# Altium PCB PCB_Organo_Prueba_V4.PcbDoc (part 2 of 2)
Units mm, origin at the board's own origin, x right, y up, seen from the top; angles counter-clockwise.
Board outline 127.36 x 89.76 mm, 2 copper layers (Top Layer, Bottom Layer); 92 components, 110 nets, 413 pads, 125 vias.
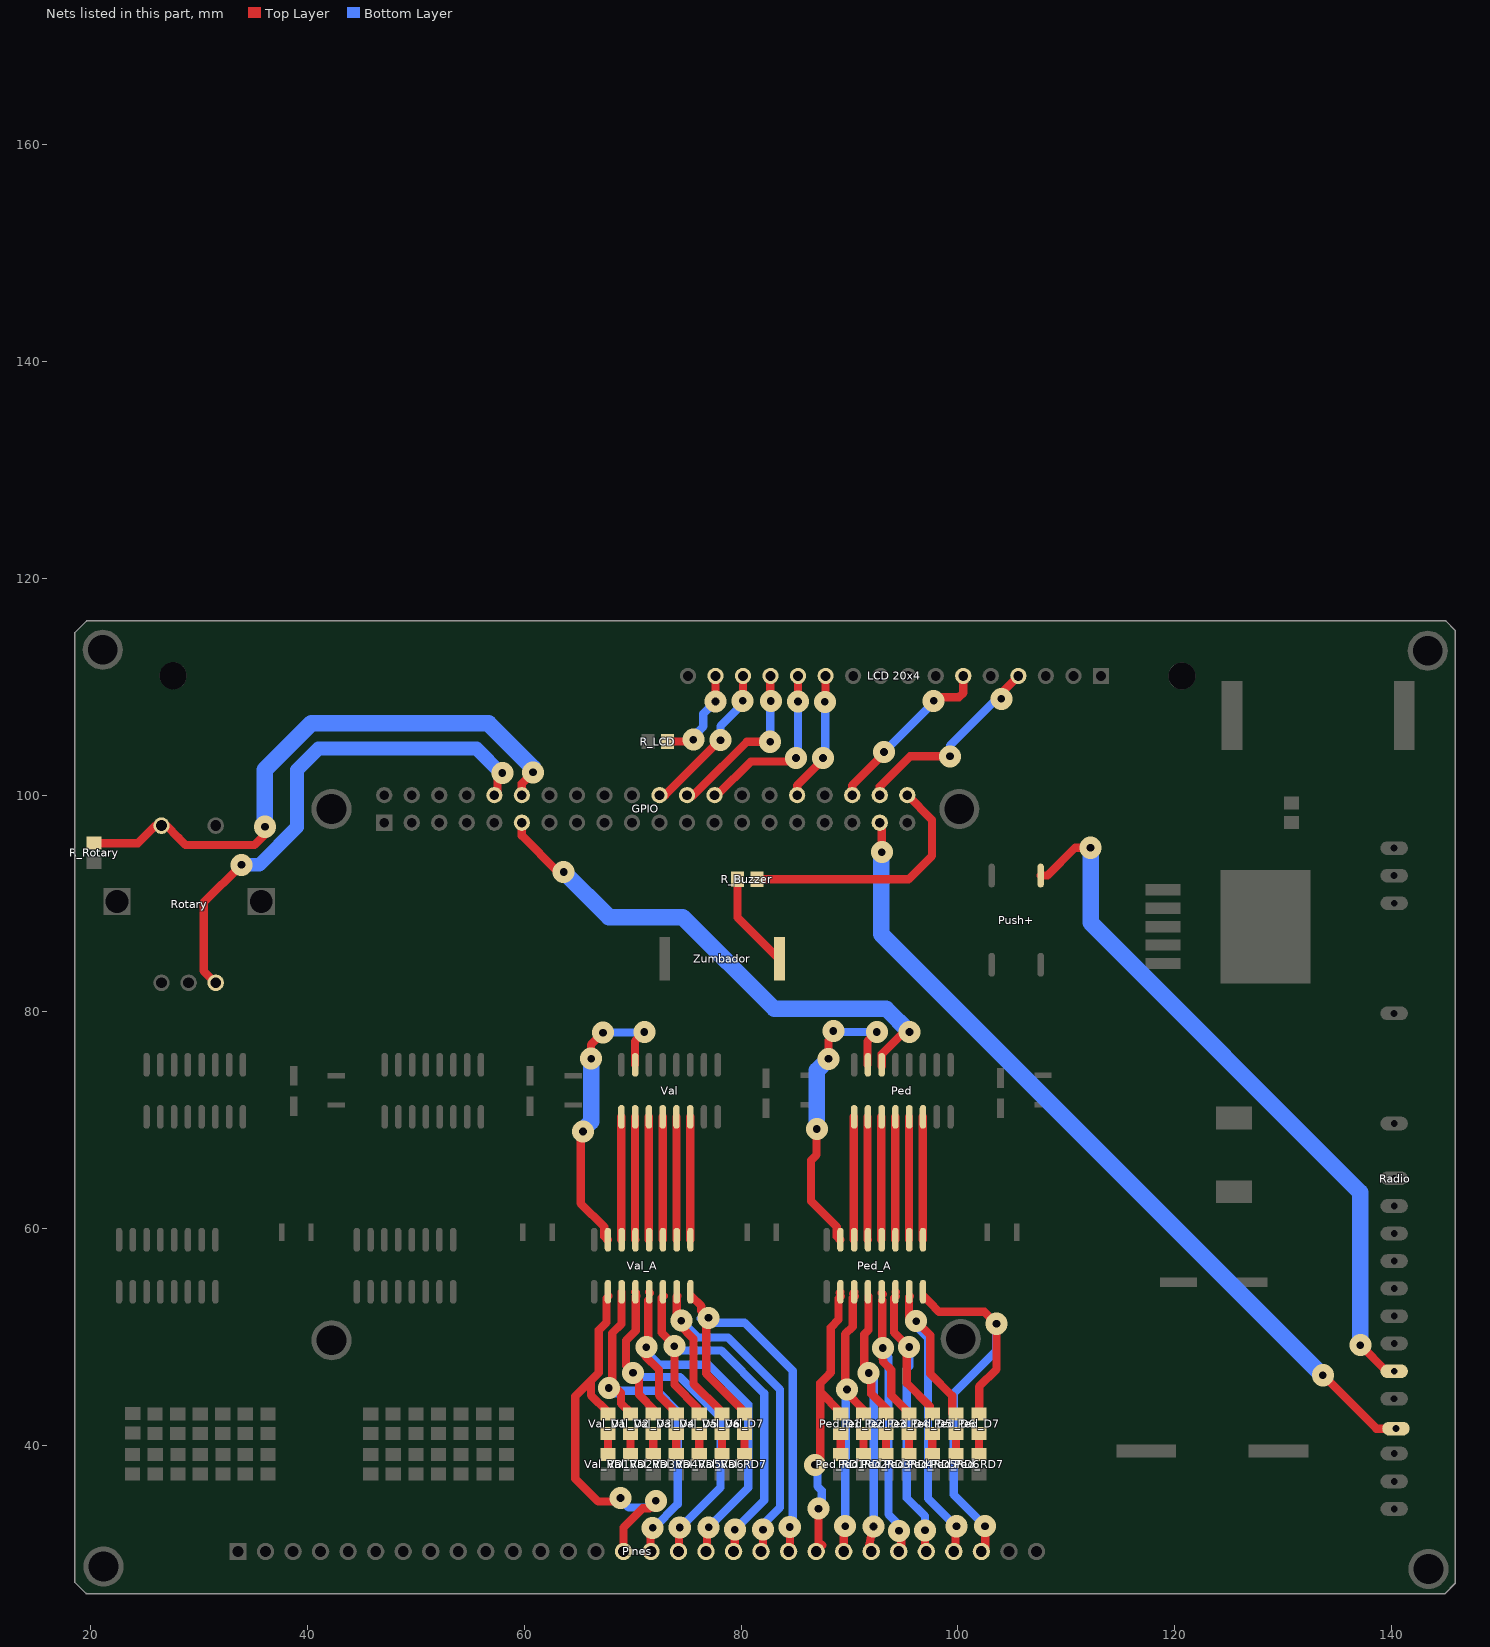
[diagram p2: the nets of this part, all layers, seen from the top]

## Via types
v1: diameter 2.032, hole 0.711, Top Layer to Bottom Layer, 125 vias

## Nets (pads, with @x,y where several pads share a name; then routed paths per layer and width w, separated by ;. In a path a pad name is that pad's centre, name@x,y a point inside that pad or via, vN(x,y) a via of type N, cw(c..) or ccw(c..) an arc to the next point about the centre after c; other vN are vias at no path point) (continued)
NetGPIO_10: GPIO.10 Rotary.B | length 47.9
  Top Layer w0.762: Rotary.B@31.518,82.677 30.416,83.778 30.416,90.068 v1(33.909,93.561) ; GPIO.10@57.226,99.987 57.518,100.279 57.518,102.26 57.48,102.298 v1@57.48,102.108
  Bottom Layer w1.27: v1(33.909,93.561) 35.535,93.561 39.014,97.041 39.014,102.298 40.996,104.28 55.575,104.28 v1@57.893,101.962
  other v1: 57.963,102.032
NetGPIO_11: GPIO.11 Ped.14 | length 49
  Top Layer w0.762: GPIO.11@59.766,97.447 59.766,96.253 63.119,92.9 v1(63.627,92.9) ; Ped.14@92.977,74.968 92.977,76.098 95.009,78.13 v1(95.529,78.13)
  Bottom Layer w1.524: v1(63.627,92.9) 67.793,88.735 74.587,88.735 83.045,80.277 93.383,80.277 v1(95.529,78.13)
NetGPIO_12: GPIO.12 R_Rotary.2 Rotary.D | length 54.7
  Top Layer w0.762: R_Rotary.2@20.295,95.553 24.344,95.553 25.968,97.177 Rotary.D@26.518,97.177 26.978,97.177 28.105,96.05 28.105,96.028 28.744,95.39 35.09,95.39 36.062,96.361 v1(36.062,97.072) ; GPIO.12@59.766,99.987 59.766,101.067 v1(60.795,102.095)
  Bottom Layer w1.524: v1(36.062,97.072) 36.062,102.343 40.322,106.604 56.693,106.604 60.795,102.502 v1(60.795,102.095)
NetGPIO_22: "LCD 20x4.14" GPIO.22 | length 14.5
  Top Layer w0.762: GPIO.22@72.466,99.987 72.987,99.987 78.054,105.054 v1(78.092,105.054) ; v1(80.137,108.687) 80.17,108.72 80.17,110.99
  Bottom Layer w0.762: v1(78.092,105.054) 78.092,106.35 80.124,108.382 v1@80.124,108.687
NetGPIO_24: "LCD 20x4.13" GPIO.24 | length 15.5
  Top Layer w0.762: GPIO.24@75.006,99.987 75.59,99.987 76.161,100.558 76.161,100.561 80.515,104.915 v1(82.677,104.915) ; v1@82.69,108.991 82.69,110.97 82.71,110.99
  Bottom Layer w0.762: v1(82.677,104.915) 82.69,104.927 v1@82.69,108.674
  other v1: 82.74,108.674
NetGPIO_26: "LCD 20x4.12" GPIO.26 | length 16.4
  Top Layer w0.762: GPIO.26@77.546,99.987 77.787,99.987 80.886,103.086 84.709,103.086 v1@85.052,103.429 ; v1@85.242,108.928 85.242,110.982 85.25,110.99
  Bottom Layer w0.762: v1@85.052,103.314 v1(85.052,103.416) ; v1@85.052,103.378 85.242,103.569 v1(85.242,108.636)
NetGPIO_32: "LCD 20x4.11" GPIO.32 | length 12.2
  Top Layer w0.762: GPIO.32@85.166,99.987 85.166,100.889 87.338,103.06 87.338,103.391 87.363,103.416 v1(87.554,103.416) ; v1@87.79,108.598 87.79,110.99
  Bottom Layer w0.762: v1(87.554,103.416) 87.744,103.607 87.744,108.572 v1(87.719,108.598)
NetGPIO_36: "LCD 20x4.6" GPIO.36 | length 16.4
  Top Layer w0.762: GPIO.36@90.246,99.987 90.246,100.889 v1@93.383,104.026 ; v1@97.796,108.655 98.171,109.029 100.089,109.029 100.49,109.431 100.49,110.99
  Bottom Layer w0.762: v1(93.18,103.962) v1@97.765,108.547
  other v1: 97.765,108.687
NetGPIO_37: GPIO.37 Radio.22 | length 76.7
  Top Layer w0.762: GPIO.37@92.786,97.447 92.977,97.257 v1(92.977,94.729) ; v1(133.667,46.469) 138.595,41.542 Radio.22@140.411,41.542
  Bottom Layer w1.524: v1@92.939,94.729 92.939,87.135 v1@133.636,46.438
NetGPIO_38: "LCD 20x4.4" GPIO.38 | length 18.7
  Top Layer w0.762: GPIO.38@92.786,99.987 92.786,100.787 95.567,103.569 v1(99.263,103.569) ; v1(104,108.877) 104,109.42 105.57,110.99
  Bottom Layer w0.762: v1(99.263,103.569) 99.263,104.572 103.569,108.877 v1(104,108.877)
NetGPIO_40: GPIO.40 R_Buzzer.1 | length 23.6
  Top Layer w0.762: R_Buzzer.1@81.456,92.227 95.441,92.227 97.599,94.386 97.599,97.714 GPIO.40@95.326,99.987
"NetLCD 20x4_15": "LCD 20x4.15" R_LCD.1 | length 9.7
  Top Layer w0.762: R_LCD.1@73.188,104.927 75.413,104.927 v1(75.59,105.105) ; v1@77.622,108.636 77.622,110.982 77.63,110.99
  Bottom Layer w0.762: v1(75.59,105.105) 75.273,105.105 76.505,106.337 76.505,107.505 v1(77.635,108.636)
NetPed_1: Ped.1 Ped_A.6 | length 11.3
  Top Layer w0.508: Ped_A.6@90.393,58.975 Ped_A.6@90.399,58.969
  Top Layer w0.762: Ped_A.6@90.393,58.975 Ped.1@90.393,70.312
NetPed_2: Ped.2 Ped_A.5 | length 11.3
  Top Layer w0.762: Ped.2@91.663,70.312 91.663,58.975 Ped_A.5@91.669,58.969
NetPed_3: Ped.3 Ped_A.4 | length 11.3
  Top Layer w0.762: Ped.3@92.933,70.312 92.933,58.975 Ped_A.4@92.939,58.969
NetPed_4: Ped.4 Ped_A.3 | length 11.3
  Top Layer w0.762: Ped.4@94.203,70.312 94.203,58.975 Ped_A.3@94.209,58.969
NetPed_5: Ped.5 Ped_A.2 | length 11.3
  Top Layer w0.762: Ped.5@95.473,70.312 95.473,58.975 Ped_A.2@95.479,58.969
NetPed_6: Ped.6 Ped_A.1 | length 11.3
  Top Layer w0.762: Ped.6@96.743,70.312 96.749,70.306 Ped_A.1@96.749,58.969
NetPed_15: Ped.15 Ped_A.7 | length 28
  Top Layer w0.762: v1@86.957,69.19 86.957,66.802 86.449,66.294 86.449,62.526 88.819,60.156 88.819,59.278 Ped_A.7@89.129,58.969 ; v1(88.062,75.667) 88.062,77.356 88.506,77.8 v1(88.506,78.232) ; Ped.15@91.663,75.112 91.663,77.286 91.675,77.286 v1(92.519,78.13)
  Bottom Layer w0.762: v1@89.129,78.13 v1(92.519,78.13)
  Bottom Layer w1.524: v1(86.982,69.19) 86.982,74.587 v1(88.062,75.667)
NetPed_A_10: Ped_A.10 Ped_D1.2 Pines.22 | length 30.1
  Top Layer w0.762: v1(86.817,38.202) 87.3,38.684 87.3,45.758 ; Pines.22@86.919,30.213 87.49,30.785 87.427,30.848 ; 87.135,31.026 v1(87.135,34.163) ; 88.265,46.723 87.3,45.758 ; Ped_D1.2@89.09,42.994 Ped_D1.2@89.18,42.905 ; Ped_A.10@89.09,54.08 Ped_A.10@89.167,54.156 ; Ped_D1.2@89.192,43.091 89.129,43.091 87.3,44.92 87.3,45.758 ; Ped_A.10@89.205,53.762 88.989,53.546 88.989,51.6 88.265,50.876 88.265,46.749 88.049,46.533 88.049,46.507 87.3,45.758
  Bottom Layer w0.762: v1(86.817,38.202) 87.046,37.973 87.046,36.22 87.427,35.839 87.427,34.455 v1(87.135,34.163)
NetPed_A_11: Ped_A.11 Ped_D2.2 Pines.23 | length 27.5
  Top Layer w0.762: Pines.23@89.459,30.213 89.459,32.233 89.599,32.372 v1(89.599,32.55) ; Ped_A.11@90.335,53.991 Ped_A.11@90.411,54.067 ; Ped_A.11@90.399,54.118 Ped_A.11@90.437,54.156 ; Ped_A.11@90.475,53.762 90.297,53.585 90.297,50.952 89.599,50.254 89.599,45.314 v1(89.764,45.148) 89.764,44.818 91.262,43.32 Ped_D2.2@91.262,42.71
  Bottom Layer w0.762: v1@89.599,32.334 89.637,43.637 89.637,45.021 v1(89.764,45.148)
NetPed_A_12: Ped_A.12 Ped_D3.2 Pines.24 | length 28.8
  Top Layer w0.762: Ped_A.12@91.745,53.762 91.745,50.635 91.351,50.241 91.351,47.206 91.757,46.799 v1(91.757,46.672) 92.011,46.419 92.011,44.742 93.587,43.166 Ped_D3.2@93.421,43.001 ; Pines.24@91.999,30.213 91.745,30.467 92.113,32.233 92.202,32.322 v1(92.202,32.512)
  Bottom Layer w0.762: v1(91.757,46.672) 92.227,46.203 v1@92.227,32.512
NetPed_A_13: Ped_A.13 Ped_D4.2 Pines.25 | length 30.9
  Top Layer w0.762: Ped_A.13@92.951,54.067 Ped_A.13@93.066,53.953 ; Ped_A.13@93.015,53.378 93.015,48.565 93.104,47.714 93.855,46.963 93.855,44.601 95.352,43.104 Ped_D4.2@95.352,42.939 ; Pines.25@94.539,30.213 94.767,30.442 v1@94.767,32.118
  Bottom Layer w0.762: v1@92.894,48.812 93.586,48.12 93.586,33.642 94.564,32.664 v1(94.564,32.118)
  other v1: 93.066,48.984
NetPed_A_14: Ped_A.14 Ped_D5.2 Pines.26 | length 31.8
  Top Layer w0.762: Ped_A.14@94.247,54.156 Ped_A.14@94.259,54.143 ; Ped_A.14@94.285,53.762 94.107,53.585 94.107,50.406 95.377,49.136 v1@95.39,49.136 ; v1@95.275,49.136 95.275,45.733 97.409,43.599 Ped_D5.2@97.409,43.015 ; v1(96.965,32.156) 96.965,30.328 Pines.26@97.079,30.213
  Bottom Layer w0.762: v1(95.504,49.073) 95.504,47.307 95.275,47.079 95.275,35.154 96.952,33.477 v1@96.952,32.271
NetPed_A_15: Ped_A.15 Ped_D6.2 Pines.27 | length 35.5
  Top Layer w0.762: Ped_A.15@95.555,53.762 95.491,53.699 95.491,51.625 95.694,51.422 v1@95.694,51.166 ; v1(96.139,51.46) 97.447,50.152 97.447,46.596 99.466,44.577 Ped_D6.2@99.466,42.964 ; Pines.27@99.619,30.213 99.771,30.366 99.771,32.448 v1(99.86,32.537)
  Bottom Layer w0.762: v1(96.139,51.46) 96.139,51.016 97.244,49.911 97.244,35.103 v1@99.835,32.512
NetPed_A_16: Ped_A.16 Ped_D7.2 Pines.28 | length 40.1
  Top Layer w0.762: Ped_A.16@96.825,53.762 97.371,53.216 97.371,53.213 98.26,52.324 102.451,52.324 v1(103.556,51.219) 103.556,47.015 101.956,45.415 101.956,43.383 Ped_D7.2@101.657,43.085 ; Pines.28@102.159,30.213 102.514,30.569 v1@102.514,32.334
  Bottom Layer w0.762: v1@102.495,32.569 99.606,35.458 99.606,44.78 103.518,48.692 v1@103.518,50.889
  other v1: 102.502,32.55
NetPed_D1_1: Ped_D1.1 Ped_RD1.1 | length 1.9
  Top Layer w0.762: Ped_RD1.1@89.192,39.178 Ped_D1.1@89.192,41.086
NetPed_D2_1: Ped_D2.1 Ped_RD2.1 | length 1.9
  Top Layer w0.762: Ped_RD2.1@91.275,39.178 Ped_D2.1@91.275,41.086
NetPed_D3_1: Ped_D3.1 Ped_RD3.1 | length 1.9
  Top Layer w0.762: Ped_RD3.1@93.37,39.178 Ped_D3.1@93.37,41.086
NetPed_D4_1: Ped_D4.1 Ped_RD4.1 | length 1.9
  Top Layer w0.762: Ped_D4.1@95.479,41.086 95.479,39.191 Ped_RD4.1@95.491,39.178
NetPed_D5_1: Ped_D5.1 Ped_RD5.1 | length 1.9
  Top Layer w0.762: Ped_D5.1@97.638,41.086 97.638,39.203 Ped_RD5.1@97.663,39.178
NetPed_D6_1: Ped_D6.1 Ped_RD6.1 | length 1.9
  Top Layer w0.762: Ped_RD6.1@99.809,39.178 Ped_D6.1@99.809,41.086
NetPed_D7_1: Ped_D7.1 Ped_RD7.1 | length 1.9
  Top Layer w0.762: Ped_RD7.1@101.943,39.178 Ped_D7.1@101.943,41.086
NetPines_15: Pines.15 Val_A.10 Val_D1.2 | length 37.2
  Top Layer w0.762: 66.142,45.985 66.142,44.617 67.655,43.104 Val_D1.2@67.754,43.104 ; Val_A.10@67.767,53.775 67.564,53.572 67.564,51.346 66.865,50.648 66.865,46.709 64.681,44.524 64.681,36.932 66.802,34.811 v1@68.885,34.811 ; Pines.15@69.139,30.213 69.139,32.432 70.895,34.188 71.552,34.188 v1@72.187,34.823
  Bottom Layer w0.762: v1@68.91,34.976 69.621,34.265 71.31,34.265 v1@72.339,35.293
  other v1: 72.123,34.887 68.859,35.141
NetPines_16: Pines.16 Val_A.11 Val_D2.2 | length 34.5
  Top Layer w0.762: Val_A.11@68.961,54.143 68.948,54.156 68.948,51.194 68.097,50.343 68.097,45.606 v1(67.793,45.301) 68.466,45.301 68.923,44.844 68.923,43.866 69.825,42.964 Val_D2.2@69.825,42.723 ; v1@71.628,32.322 71.628,30.264 Pines.16@71.679,30.213
  Bottom Layer w0.762: v1(67.793,45.301) 67.945,45.301 68.428,44.818 68.682,44.818 68.91,45.047 72.212,45.047 74.143,43.116 74.143,34.569 71.971,32.398 v1(71.831,32.398)
NetPines_17: Pines.17 Val_A.12 Val_D3.2 | length 36.4
  Top Layer w0.762: Val_A.12@70.218,54.156 Val_A.12@70.282,54.093 ; Val_A.12@70.307,53.775 70.269,53.737 70.269,50.571 69.38,49.682 69.38,47.346 70.574,46.152 70.574,44.679 72.111,43.141 Val_D3.2@71.984,43.013 ; Pines.17@74.219,30.213 74.27,30.264 74.27,32.36 v1(74.333,32.423)
  Bottom Layer w0.762: v1@70.136,46.577 70.396,46.317 74.346,46.317 78.092,42.57 78.092,36.106 v1@74.371,32.385 ; v1@70.256,46.457 v1@70.256,46.825
  other v1: 70.015,46.698
NetPines_18: Pines.18 Val_A.13 Val_D4.2 | length 38.6
  Top Layer w0.762: Val_A.13@71.438,53.391 71.438,48.92 71.183,48.666 71.183,48.209 72.417,46.975 72.417,44.613 73.914,43.116 Val_D4.2@73.914,42.951 ; Val_A.13@71.488,54.156 Val_A.13@71.577,54.067 ; Val_D4.2@73.825,43.102 Val_D4.2@74.054,42.874 ; Pines.18@76.759,30.213 76.848,30.302 76.848,32.283 v1(77,32.436)
  Bottom Layer w0.762: v1@71.526,48.628 71.526,48.323 72.403,47.447 76.962,47.447 80.645,43.764 80.645,36.081 v1(77,32.436)
  other v1: 71.247,49.06
NetPines_19: Pines.19 Val_A.14 Val_D5.2 | length 37.8
  Top Layer w0.762: Val_A.14@72.847,53.775 72.669,53.597 72.669,50.419 73.939,49.149 v1@73.952,49.149 ; v1(73.838,49.149) 73.838,45.593 75.971,43.459 Val_D5.2@75.971,43.028 ; Pines.19@79.413,30.328 v1(79.413,32.22)
  Bottom Layer w0.762: v1@73.952,49.149 74.346,48.755 78.168,48.755 82.118,44.806 82.118,34.925 v1(79.413,32.22)
NetPines_20: Pines.20 Val_A.15 Val_D6.2 | length 40.2
  Top Layer w0.762: Val_A.15@74.117,53.775 74.054,53.712 74.054,51.638 74.257,51.435 74.257,51.179 75.603,49.833 75.603,45.682 78.029,43.256 Val_D6.2@78.029,42.977 ; Pines.20@81.839,30.213 82.004,30.378 v1(82.004,32.22)
  Bottom Layer w0.762: v1@74.117,51.486 74.486,51.486 76.01,49.962 78.791,49.962 83.591,45.161 83.591,34.277 82.004,32.69 v1(82.004,32.22)
  other v1: 74.473,51.498
NetPines_21: Pines.21 Val_A.16 Val_D7.2 | length 39.9
  Top Layer w0.762: Val_A.16@75.387,53.775 76.327,52.835 76.327,52.426 v1(76.987,51.765) ; v1@76.772,51.765 76.772,46.634 80.086,43.32 Val_D7.2@80.086,42.964 ; Pines.21@84.379,30.213 84.506,30.34 v1@84.506,32.258
  Bottom Layer w0.762: v1@76.276,51.702 76.987,51.702 77.368,51.321 80.315,51.321 84.747,46.888 84.747,32.728 v1(84.48,32.461)
NetPush+_1: Push+.1 Radio.20 | length 66
  Top Layer w0.762: Push+.1@107.632,92.57 108.255,92.57 110.82,95.136 v1(112.23,95.136) ; v1(137.122,49.238) 139.522,46.838 Radio.20@140.246,46.838
  Bottom Layer w1.524: v1(112.23,95.136) 112.23,88.227 137.122,63.335 v1(137.122,49.238)
NetR_Buzzer_2: R_Buzzer.2 Zumbador.1 | length 9
  Top Layer w0.762: R_Buzzer.2@79.656,92.227 79.656,88.708 83.464,84.9 Zumbador.1@83.546,84.9
NetVal_1: Val.1 Val_A.6 | length 11.3
  Top Layer w0.508: Val_A.6@68.942,58.975 Val_A.6@68.948,58.969
  Top Layer w0.762: Val_A.6@68.942,58.975 Val.1@68.942,70.312
NetVal_2: Val.2 Val_A.5 | length 11.3
  Top Layer w0.762: Val.2@70.212,70.312 70.212,58.975 Val_A.5@70.218,58.969
NetVal_3: Val.3 Val_A.4 | length 11.3
  Top Layer w0.762: Val.3@71.482,70.312 71.482,58.975 Val_A.4@71.488,58.969
NetVal_4: Val.4 Val_A.3 | length 11.3
  Top Layer w0.762: Val.4@72.752,70.312 72.752,58.975 Val_A.3@72.758,58.969
NetVal_5: Val.5 Val_A.2 | length 11.3
  Top Layer w0.762: Val.5@74.022,70.312 74.022,58.975 Val_A.2@74.028,58.969
NetVal_6: Val.6 Val_A.1 | length 11.3
  Top Layer w0.762: Val.6@75.292,70.312 75.298,70.306 Val_A.1@75.298,58.969
NetVal_15: Val.15 Val_A.7 | length 28.2
  Top Layer w0.762: v1@65.253,68.948 65.189,68.885 65.189,62.336 67.369,60.156 67.369,59.278 Val_A.7@67.678,58.969 ; v1@66.142,75.692 66.142,76.962 v1(67.259,78.08) ; Val.15@70.212,75.112 70.212,77.286 70.225,77.286 v1(71.069,78.13)
  Bottom Layer w0.762: v1(67.259,78.08) 71.018,78.08 v1(71.069,78.13)
  Bottom Layer w1.524: v1@65.253,68.948 66.154,69.85 v1(66.154,75.679)
  other v1: 65.405,68.948
NetVal_D1_1: Val_D1.1 Val_RD1.1 | length 1.9
  Top Layer w0.762: Val_RD1.1@67.704,39.178 Val_D1.1@67.704,41.086
NetVal_D2_1: Val_D2.1 Val_RD2.1 | length 1.9
  Top Layer w0.762: Val_RD2.1@69.799,39.178 Val_D2.1@69.799,41.086
NetVal_D3_1: Val_D3.1 Val_RD3.1 | length 1.9
  Top Layer w0.762: Val_RD3.1@71.895,39.178 Val_D3.1@71.895,41.086
NetVal_D4_1: Val_D4.1 Val_RD4.1 | length 1.9
  Top Layer w0.762: Val_RD4.1@74.016,39.178 Val_D4.1@74.016,41.086
NetVal_D5_1: Val_D5.1 Val_RD5.1 | length 1.9
  Top Layer w0.762: Val_RD5.1@76.136,39.178 Val_D5.1@76.136,41.086
NetVal_D6_1: Val_D6.1 Val_RD6.1 | length 1.9
  Top Layer w0.762: Val_RD6.1@78.219,39.178 Val_D6.1@78.219,41.086
NetVal_D7_1: Val_D7.1 Val_RD7.1 | length 1.9
  Top Layer w0.762: Val_RD7.1@80.302,39.178 80.315,39.191 Val_D7.1@80.315,41.086
pads on no net: 1T.7 1T.9 2T.7 2T.9 "LCD 20x4.3" "LCD 20x4.7" "LCD 20x4.8" "LCD 20x4.9" "LCD 20x4.10" GPIO.16 GPIO.17 GPIO.18 GPIO.19 GPIO.21 GPIO.23 GPIO.27 GPIO.28 GPIO.29 GPIO.31 GPIO.33 GPIO.35 Ped.7 Ped.9 Push+.2 Push+.4 Radio.3 Radio.11 Radio.13 Radio.14 Radio.17 Radio.23 Radio.24 Radio.25 Rotary. Val.7 Val.9
copper on no net:
  other v1: 35.306,77.787 78.676,77.787 56.718,77.826

## Polygon pours and split planes (outlines as drawn)
3.3V on Top Layer "3.3V" (solid, remove dead copper, pour order 8): 19.666,116.085 19.682,116.069 144.996,116.069 145.019,116.069 145.847,115.24 145.842,115.235 145.842,27.234 145.842,27.222 144.958,26.339 144.927,26.307 19.614,26.307 19.569,26.307 18.538,27.338 18.506,27.37 18.506,114.925
GND on Top Layer "GND" (solid, remove dead copper, pour order 6): 19.666,116.085 19.704,116.047 145.029,116.047 145.029,116.014 145.879,115.164 145.847,115.131 145.847,27.127 145.746,27.127 144.958,26.339 19.537,26.339 18.538,27.338 18.522,27.354 18.522,114.963
12V on Top Layer "12V" (solid, remove dead copper, pour order 19): 19.666,116.085 144.958,116.085 144.958,115.947 145.838,115.067 145.854,115.051 145.854,27.121 144.911,26.178 19.589,26.178 19.544,26.178 18.529,27.193 18.506,27.215 18.506,114.925
GND on Bottom Layer "GND_bottom" (solid, remove dead copper, pour order 17): 19.628,116.069 19.644,116.085 144.958,116.085 144.98,116.085 145.863,115.202 145.847,115.186 145.847,27.228 145.847,27.115 144.894,26.162 144.882,26.175 19.583,26.175 19.558,26.175 18.555,27.178 18.506,27.226 18.506,114.925

## Other copper
Top Layer:
  rectangle net GND: 98.966,81.183 101.562,83.325
  rectangle net NetGPIO_12: 19.342,94.628 21.224,96.598
  rectangle net 3.3V: 25.159,74.676 25.552,76.67
  rectangle net 3.3V: 46.977,73.698 47.6,76.452
  rectangle net 3.3V: 54.127,73.736 54.953,76.479
  rectangle net 3.3V: 75.959,73.787 76.746,76.441
  rectangle net 3.3V: 90.17,73.698 90.919,76.644
  rectangle net 3.3V: 97.472,73.419 98.749,76.365
  rectangle net 3.3V: 63.716,73.52 65.392,74.397
  rectangle net 3.3V: 102.845,72.581 109.106,77.203
  rectangle net 3.3V: 98.082,76.822 109.106,79.921
  rectangle net 5V: 23.622,103.619 72.25,107.823
  rectangle net 3.3V: 85.115,73.533 87.262,74.651
  rectangle net 3.3V: 63.462,73.495 65.259,74.614
  rectangle net 3.3V: 41.478,73.546 43.536,74.612
  rectangle net 12V: 66.75,36.524 68.834,36.69
  rectangle net 12V: 44.868,36.524 49.187,36.716
  rectangle net 3.3V: 36.703,72.962 42.558,80.188
  rectangle net 3.3V: 42.456,74.841 42.481,79.197
  rectangle net 3.3V: 36.703,75.298 38.443,79.146
  rectangle net 5V: 116.167,97.599 126.06,105.296
  rectangle net 5V: 114.91,99.784 116.167,104.496
  rectangle net 5V: 110.452,97.587 116.167,99.784
  rectangle net NetPed_A_16: 101.13,28.867 103.226,33.401
  rectangle net NetPed_A_15: 98.577,28.854 100.673,33.388
  rectangle net NetPed_A_14: 95.987,28.854 98.082,33.388
  rectangle net NetPed_A_13: 93.472,28.854 95.567,33.388
  rectangle net NetPed_A_12: 90.881,28.854 92.977,33.388
  rectangle net NetPed_A_11: 88.43,28.842 90.526,33.376
  rectangle net NetPed_A_10: 85.903,28.842 87.998,33.376
  rectangle net NetPines_21: 83.35,28.829 85.446,33.363
  rectangle net NetPines_20: 80.924,28.829 83.02,33.363
  rectangle net NetPines_19: 78.334,28.842 80.429,33.376
  rectangle net NetPines_18: 75.844,28.88 77.94,33.414
  rectangle net NetPines_17: 73.241,28.905 75.336,33.439
  rectangle net NetPines_16: 70.828,28.918 72.834,33.084
  rectangle net NetPines_15: 68.148,28.931 70.244,33.465
  rectangle net Net2T_A_16: 65.57,28.943 67.666,33.477
  rectangle net Net2T_A_15: 62.979,28.943 65.075,33.477
  rectangle net Net2T_A_14: 60.439,28.931 62.535,33.465
  rectangle net Net2T_A_13: 57.899,28.931 59.995,33.465
  rectangle net Net2T_A_12: 55.397,28.918 57.493,33.452
  rectangle net Net2T_A_11: 52.857,28.918 54.953,33.452
  rectangle net Net2T_A_10: 50.292,28.918 52.387,33.452
  rectangle net Net1T_A_16: 47.625,28.918 49.721,33.452
  rectangle net Net1T_A_15: 45.136,28.918 47.231,33.452
  rectangle net Net1T_A_14: 42.545,28.943 44.64,33.477
  rectangle net Net1T_A_13: 40.03,28.943 42.126,33.477
  rectangle net Net1T_A_12: 37.554,28.943 39.649,33.477
  rectangle net Net1T_A_11: 34.963,28.943 37.059,33.477
  rectangle net Net1T_A_10: 32.563,28.918 34.658,33.452
  rectangle net 5V: 109.588,107.861 111.76,112.344
  rectangle net NetD_Back_K: 138.925,103.594 143.243,110.947
  rectangle net 12V: 106.324,28.13 111.823,54.597
  rectangle net 5V: 115.786,79.324 116.929,85.407
  rectangle net 5V: 115.786,85.407 120.663,86.804
  rectangle net 5V: 115.799,76.035 137.325,80.023
  rectangle net 5V: 134.468,80.023 137.325,96.545
  rectangle net 5V: 126.149,34.023 133.553,45.085
  rectangle net 5V: 138.011,58.064 144.577,60.706
  rectangle net 5V: 143.015,31.979 144.793,93.967
  rectangle net 5V: 136.436,93.967 144.793,96.558
  rectangle net 5V: 102.705,97.587 116.027,107.188
  rectangle net 5V: 72.174,106.375 110.68,107.315
  rectangle net 5V: 109.588,104.229 127.61,107.861
  rectangle net 5V: 123.774,98.577 134.353,112.001
  rectangle net 5V: 28.74,96.291 34.252,102.184
  rectangle net 5V: 23.622,101.968 50.876,106.489
  rectangle net 5V: 65.468,102.972 72.25,107.62
  rectangle net 5V: 45.961,98.704 50.902,103.632
  rectangle net 12V: 110.973,72.263 114.046,90.449
  rectangle net 12V: 110.973,90.449 120.65,92.786
  rectangle net NetGPIO_11: 92.494,73.762 93.447,76.238
  rectangle net NetGPIO_7: 71.018,73.762 71.971,76.238
  rectangle net Net2T_14: 49.2,73.812 50.152,76.289
  rectangle net Net1T_14: 27.178,73.8 28.13,76.276
  rectangle net 12V: 114.046,53.708 122.339,61.519
  rectangle net 12V: 110.973,53.708 114.046,72.796
  rectangle net 12V: 39.522,52.527 41.618,69.025
  rectangle net 12V: 61.468,52.565 63.691,69.063
  rectangle net 12V: 82.313,52.481 84.544,68.974
  rectangle net 12V: 83.376,52.476 88.354,56.451
  rectangle net 12V: 62.332,52.565 66.929,56.413
  rectangle net 12V: 19.266,52.235 23.063,56.896
  rectangle net 12V: 41.618,52.527 45.047,56.502
  rectangle net 12V: 104.394,53.708 107.264,61.265
  rectangle net 3.3V: 58.382,73.012 64.884,79.769
  rectangle net 3.3V: 80.226,72.746 86.639,79.972
  rectangle net 3.3V: 19.164,79.68 109.106,80.924
  rectangle net 3.3V: 89.967,73.698 90.919,76.175
  rectangle net 3.3V: 97.574,73.736 98.527,76.213
  rectangle net 3.3V: 68.504,73.749 69.456,76.225
  rectangle net 3.3V: 76.111,73.787 77.064,76.263
  rectangle net 3.3V: 46.647,73.698 47.6,76.175
  rectangle net 3.3V: 54.254,73.736 55.207,76.213
  rectangle net 3.3V: 32.258,73.825 33.21,76.302
  rectangle net 3.3V: 24.789,73.787 25.578,76.484
  rectangle net NetPed_A_16: 96.329,52.959 97.282,55.435
  rectangle net NetPed_A_15: 95.059,52.946 96.012,55.423
  rectangle net NetPed_A_14: 93.764,52.946 94.717,55.423
  rectangle net NetPed_A_13: 92.494,52.946 93.447,55.423
  rectangle net NetPed_A_12: 91.224,52.946 92.177,55.423
  rectangle net NetPed_A_11: 89.954,52.946 90.907,55.423
  rectangle net NetPed_A_10: 88.684,52.946 89.637,55.423
  rectangle net NetPines_21: 74.841,52.959 75.794,55.435
  rectangle net NetPines_20: 73.571,52.946 74.524,55.423
  rectangle net NetPines_19: 72.263,52.946 73.215,55.423
  rectangle net NetPines_18: 71.006,52.946 71.958,55.423
  rectangle net NetPines_17: 69.736,52.946 70.688,55.423
  rectangle net NetPines_16: 68.466,52.946 69.418,55.423
  rectangle net NetPines_15: 67.196,52.946 68.148,55.423
  rectangle net Net2T_A_16: 52.984,52.959 53.937,55.435
  rectangle net Net2T_A_15: 51.689,52.946 52.642,55.423
  rectangle net Net2T_A_14: 50.406,52.946 51.359,55.423
  rectangle net Net2T_A_13: 49.149,52.946 50.102,55.423
  rectangle net Net2T_A_12: 47.879,52.946 48.831,55.423
  rectangle net Net2T_A_11: 46.609,52.946 47.561,55.423
  rectangle net Net2T_A_10: 45.339,52.946 46.291,55.423
  rectangle net Net1T_A_10: 23.393,52.959 24.346,55.435
  rectangle net Net1T_A_11: 24.663,52.959 25.616,55.435
  rectangle net Net1T_A_12: 25.933,52.959 26.886,55.435
  rectangle net Net1T_A_13: 27.203,52.959 28.156,55.435
  rectangle net Net1T_A_14: 28.461,52.959 29.413,55.435
  rectangle net Net1T_A_15: 29.743,52.959 30.696,55.435
  rectangle net Net1T_A_16: 31.039,52.972 31.991,55.448
  rectangle net NetPed_1: 89.903,69.101 90.856,71.577
  rectangle net NetPed_2: 91.173,69.101 92.126,71.577
  rectangle net NetPed_3: 92.443,69.101 93.396,71.577
  rectangle net NetPed_4: 93.726,69.101 94.678,71.577
  rectangle net NetPed_5: 94.996,69.088 95.948,71.577
  rectangle net NetPed_6: 96.266,69.088 97.218,71.577
  rectangle net NetPed_15: 91.199,73.812 92.151,76.289
  rectangle net NetPed_15: 88.646,57.683 89.599,60.16
  rectangle net NetPed_1: 89.916,57.683 90.868,60.16
  rectangle net NetPed_2: 91.186,57.683 92.138,60.16
  rectangle net NetPed_3: 92.456,57.683 93.408,60.16
  rectangle net NetPed_4: 93.713,57.683 94.666,60.16
  rectangle net NetPed_5: 94.996,57.683 95.948,60.16
  rectangle net NetPed_6: 96.291,57.696 97.244,60.173
  rectangle net NetVal_1: 68.453,69.101 69.406,71.577
  rectangle net NetVal_2: 69.723,69.101 70.675,71.577
  rectangle net NetVal_3: 70.993,69.101 71.945,71.577
  rectangle net NetVal_4: 72.276,69.101 73.228,71.476
  rectangle net NetVal_5: 73.546,69.088 74.498,71.463
  rectangle net NetVal_6: 74.816,69.088 75.768,71.577
  rectangle net NetVal_15: 69.748,73.812 70.701,76.289
  rectangle net NetVal_15: 67.196,57.683 68.148,60.16
  rectangle net NetVal_1: 68.466,57.683 69.418,60.16
  rectangle net NetVal_2: 69.736,57.683 70.688,60.16
  rectangle net NetVal_3: 71.006,57.683 71.958,60.16
  rectangle net NetVal_4: 72.263,57.683 73.215,60.16
  rectangle net NetVal_5: 73.546,57.683 74.498,60.16
  rectangle net NetVal_6: 74.841,57.696 75.794,60.173
  rectangle net Net2T_1: 46.596,69.126 47.549,71.603
  rectangle net Net2T_2: 47.866,69.126 48.819,71.603
  rectangle net Net2T_3: 49.136,69.126 50.089,71.603
  rectangle net Net2T_4: 50.419,69.126 51.371,71.603
  rectangle net Net2T_5: 51.689,69.113 52.642,71.603
  rectangle net Net2T_6: 52.959,69.113 53.911,71.603
  rectangle net Net2T_15: 47.892,73.838 48.844,76.314
  rectangle net Net2T_15: 45.339,57.709 46.291,60.185
  rectangle net Net2T_1: 46.609,57.709 47.561,60.185
  rectangle net Net2T_2: 47.879,57.709 48.831,60.185
  rectangle net Net2T_3: 49.149,57.709 50.102,60.185
  rectangle net Net2T_4: 50.406,57.709 51.359,60.185
  rectangle net Net2T_5: 51.689,57.709 52.642,60.185
  rectangle net Net2T_6: 52.984,57.721 53.937,60.198
  rectangle net Net1T_6: 31.039,57.696 31.991,60.173
  rectangle net Net1T_5: 29.743,57.683 30.696,60.16
  rectangle net Net1T_4: 28.461,57.683 29.413,60.16
  rectangle net Net1T_3: 27.203,57.683 28.156,60.16
  rectangle net Net1T_2: 25.933,57.683 26.886,60.16
  rectangle net Net1T_1: 24.663,57.683 25.616,60.16
  rectangle net Net1T_15: 23.393,57.683 24.346,60.16
  rectangle net Net1T_15: 25.946,73.812 26.899,76.289
  rectangle net Net1T_6: 31.013,69.088 31.966,71.577
  rectangle net Net1T_5: 29.743,69.088 30.696,71.577
  rectangle net Net1T_4: 28.473,69.101 29.426,71.577
  rectangle net Net1T_3: 27.191,69.101 28.143,71.577
  rectangle net Net1T_2: 25.921,69.101 26.873,71.577
  rectangle net Net1T_1: 24.651,69.101 25.603,71.577
  rectangle net 12V: 19.952,55.537 20.955,56.896
  rectangle net 12V: 20.955,56.248 105.093,56.896
  rectangle net 12V: 32.855,55.359 40.094,58.153
  rectangle net 12V: 54.75,54.915 61.989,57.645
  rectangle net 12V: 76.606,54.915 83.845,57.785
  rectangle net 12V: 98.222,54.915 105.461,57.937
  rectangle net 12V: 107.264,56.642 111.455,61.265
  rectangle net 12V: 38.011,36.576 39.954,55.651
  rectangle net 12V: 38.354,36.576 38.443,38.1
  rectangle net 12V: 35.966,44.895 38.633,53.111
  rectangle net 12V: 22.212,36.055 39.941,38.303
  rectangle net 12V: 37.363,37.948 39.929,44.945
  rectangle net 12V: 59.436,38.1 62.001,45.098
  rectangle net 12V: 44.285,36.627 62.014,38.265
  rectangle net 12V: 58.039,45.047 60.706,53.264
  rectangle net 12V: 60.084,36.728 62.027,55.804
  rectangle net 12V: 82.486,36.728 84.43,55.804
  rectangle net 12V: 80.442,45.047 83.109,53.264
  rectangle net 12V: 66.688,36.563 84.417,38.265
  rectangle net 12V: 81.839,38.1 84.404,45.098
  rectangle net 12V: 88.238,36.284 107.62,38.252

## Silkscreen, mask and mechanical layers (free items; w line width, h text height)
Top Overlay:
  lines w0.013: 45.576,95.204 96.376,95.204 96.376,100.204 45.576,100.204 45.576,95.204 ; 45.576,95.229 96.376,95.229 96.376,100.229 45.576,100.229 45.576,95.229
Bottom Overlay:
  text "GND" at 120.828,28.486 h1.52
Bottom Paste:
  lines w0.2: 24.079,26.416 26.543,26.416 122.098,26.416 139.116,26.416 ; 24.41,26.416 19.614,26.416 18.615,27.415 18.615,30.844 18.615,114.925 19.666,115.976 23.851,115.976 24.765,115.976 139.471,115.976 144.958,115.976 145.771,115.164 145.771,113.36 145.771,28.677 145.771,27.305 144.882,26.416 143.51,26.416 138.938,26.416
Mechanical 1:
  rectangle: 30.747,103.594 70.117,113.335
Mechanical 5:
  text "5V" at 111.392,101.232 h1.52
  text "Rotary" at 29.667,99.809 h0.74
  text "Modulo" at 137.617,98.768 h0.74
  text "de Radio" at 139.167,97.587 h0.74
  text "Pulsador" at 103.835,95.186 h0.74
  text "Regulador 5V" at 120.32,94.577 h0.74
  text "Buzzer" at 73.774,92.113 h0.74
  text "3.3V" at 37.414,76.822 h1.47
  text "->" at 103.416,67.996 h0.74 r90
  text "Shift Reg." at 102.794,66.827 h0.74
  text "Darglint." at 102.794,63.919 h0.74
  text "->" at 102.794,63.195 h0.74 r270
  text "12V" at 108.052,55.347 h0.74
  text "1 Tecl." at 33.122,53.734 h0.74
  text "2 Tecl." at 55.118,53.734 h0.74
  text "Val." at 77.457,53.734 h0.74
  text "Ped." at 99.073,53.734 h0.74
  text "GND" at 120.84,28.473 h1.52

## Text inside footprints (layer, text, board x,y; h text height)
GPIO: Top Overlay "1" at 45.72,94.424 h1.27; Top Overlay "2" at 45.72,101.968 h1.27; Top Overlay "40" at 95.199,101.816 h1.27; Top Overlay "39" at 95.479,94.221 h1.27